# Altium PCB openmv-ae3.PcbDoc (part 3 of 7) (continued)
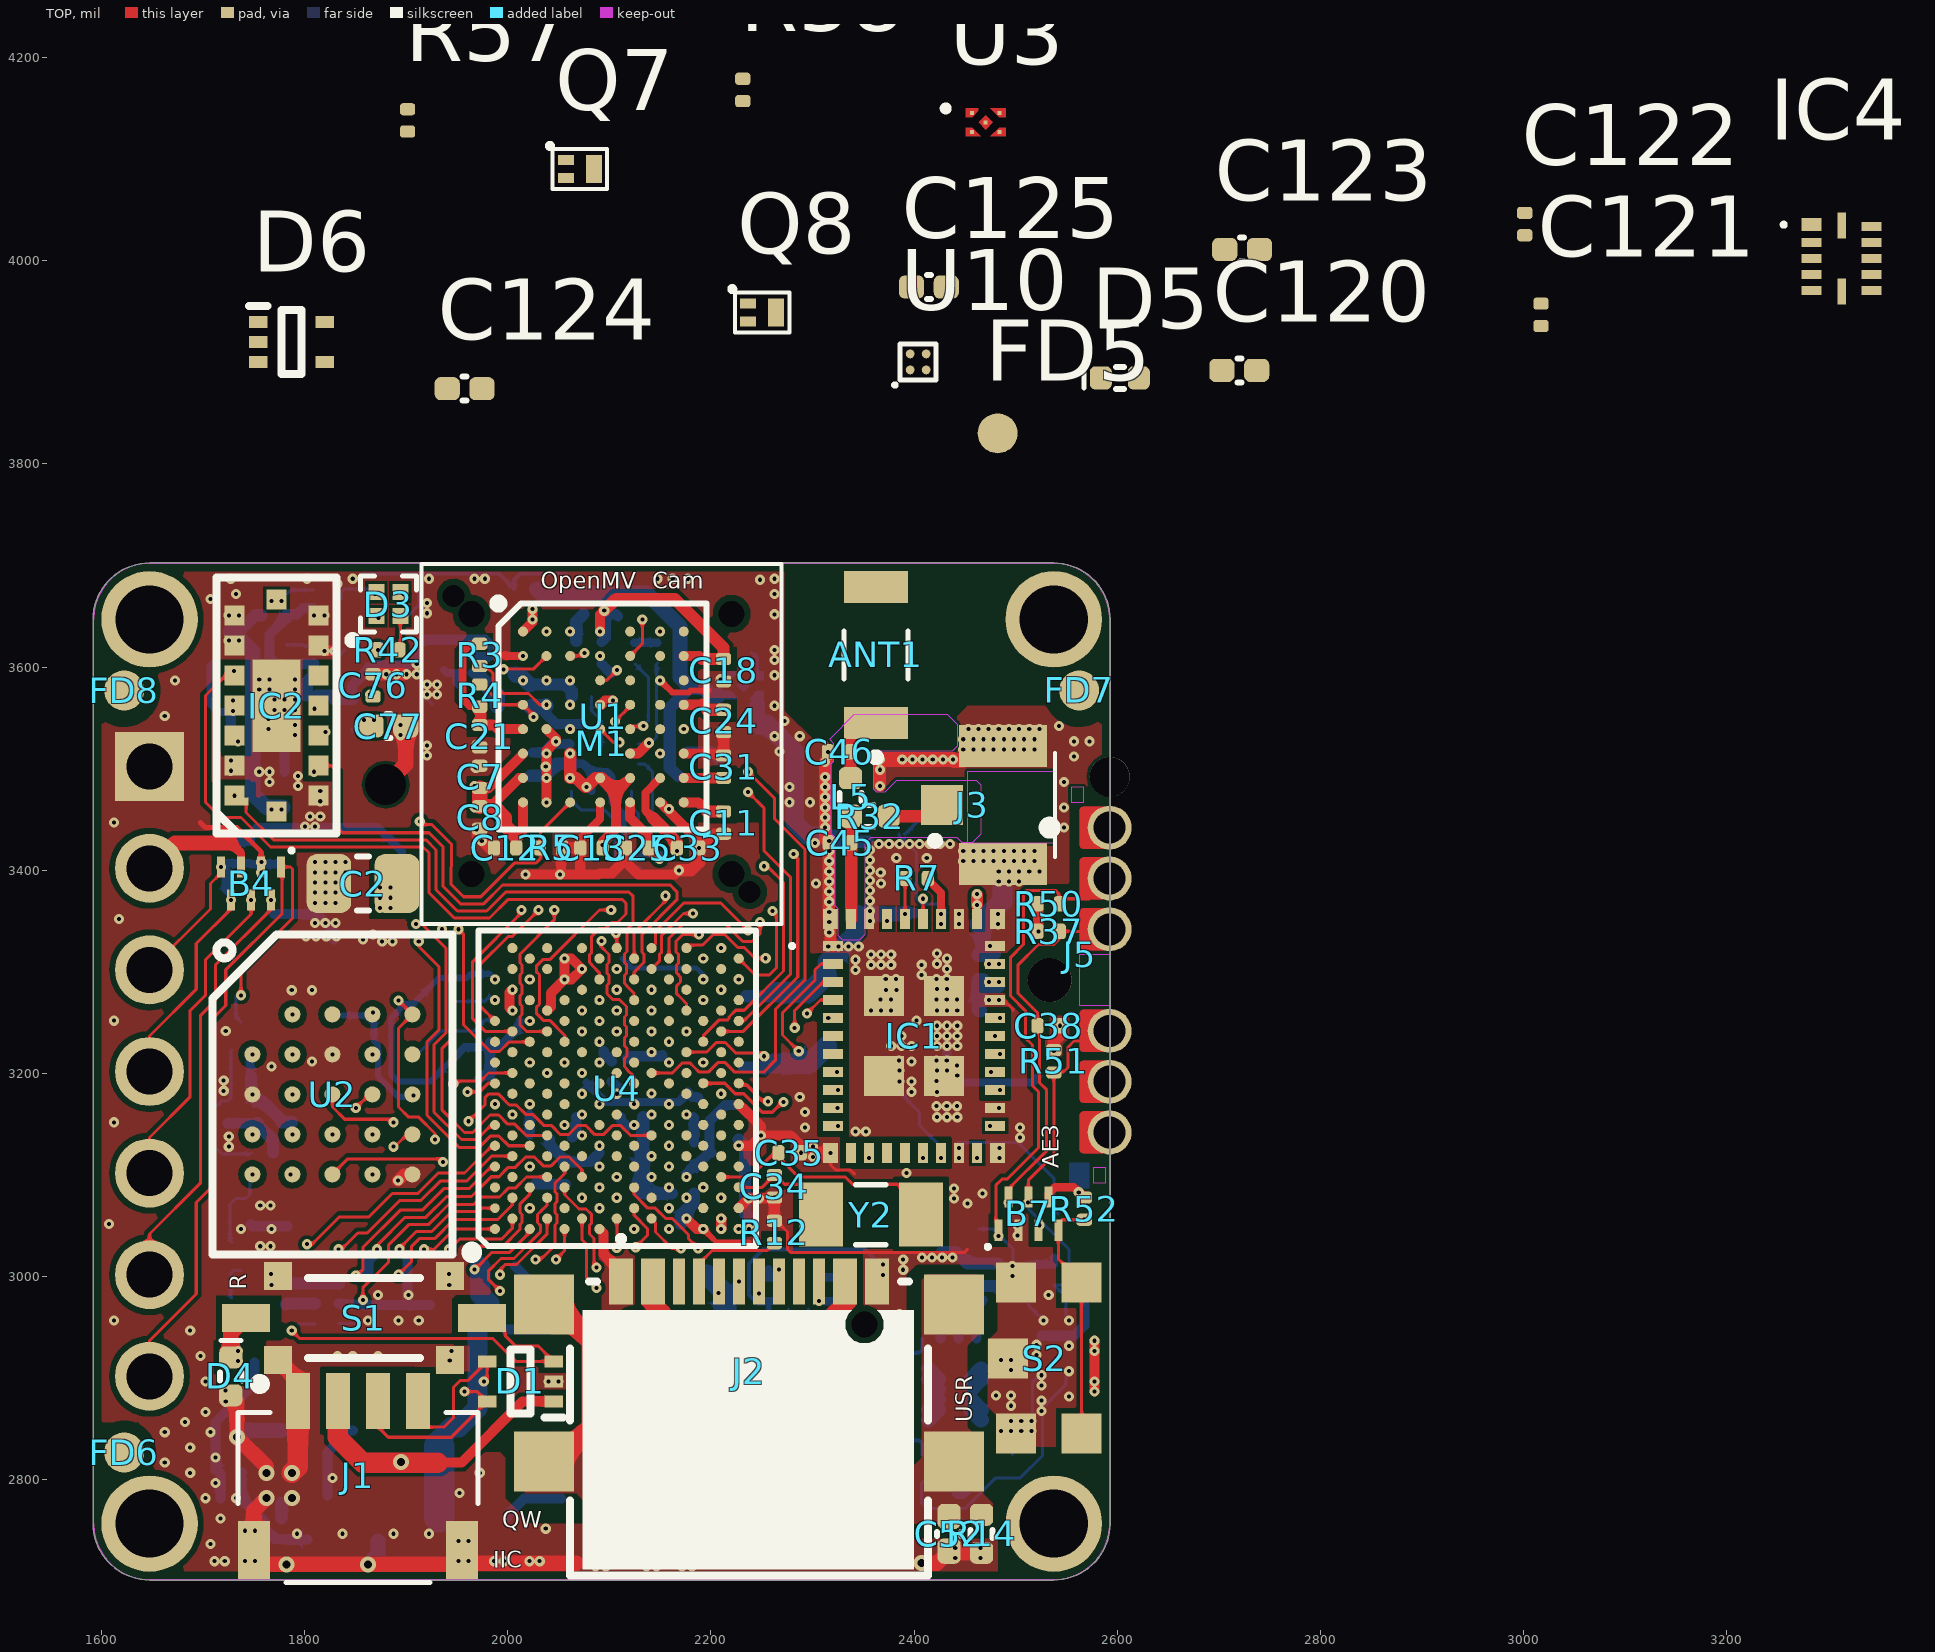
[diagram p0: TOP view]
## Nets (pads, with @x,y where several pads share a name; then routed paths per layer and width w, separated by ;. In a path a pad name is that pad's centre, name@x,y a point inside that pad or via, vN(x,y) a via of type N, cw(c..) or ccw(c..) an arc to the next point about the centre after c; other vN are vias at no path point) (continued)
  ART7 w12: v2(1727.44,3578.91) 1730.44,3581.91 v3(1777.44,3581.91)
  ART7 w15: J5.5@2572.44,3191.91 J5.5@2592.44,3191.91
  BOTTOM w3: v2(2326.44,3454.91) 2329.44,3454.91 2337.44,3446.91 ; Y1.2@2385.16,3435.85 2385.16,3434.19 2402.44,3416.91 2402.44,3386.91 ; Y1.2@2390.16,3435.85 2391.38,3435.85 v2(2417.44,3461.91) ; 2397.44,3381.91 2402.44,3386.91 ; C47.1@2430.31,3346.91 2430.31,3362.91 2426.31,3366.91 2407.44,3366.91 2402.44,3371.91 2402.44,3386.91
  BOTTOM w4: 1857.44,3691.91 1991.44,3691.91 v2(2006.44,3676.91) 2006.44,3685.91 2012.44,3691.91 2057.44,3691.91 ; FL1.8@2256.75,2967.91 2256.75,2972.59 2252.43,2976.91 2242.44,2976.91 2237.44,2981.91 2237.44,3012.91 2251.44,3026.91 2351.44,3026.91 v2(2369.44,3008.91) ; v2(2263.69,2891.16) U5.8@2267.44,2887.41
  BOTTOM w5: C97.1@2112.44,3312.91 2121.44,3303.91 2185.44,3303.91 2192.44,3296.91
  BOTTOM w6: X1.2@1947.12,3215.34 1923.69,3191.91 1892.44,3191.91 1885.44,3198.91 v2(1885.44,3241.91) v2(1885.44,3254.91) 1899.01,3268.48 X1.4@1907.76,3268.48 1907.76,3269.48 1932.19,3293.91 v2(1937.44,3293.91) v2(1957.44,3293.91) 1959.44,3293.91 1963.44,3297.91 C22.1@1982.44,3297.91
  BOTTOM w8: 1937.44,3596.91 1940.31,3594.04 v2(1949.57,3594.04) 1949.57,3584.78 1952.44,3581.91 ; X1.2@1947.12,3215.34 1957.69,3225.91 v2(1967.44,3225.91) 1982.44,3225.91 1991.44,3225.91 v2(1997.44,3231.91) 2011.44,3245.91 C99.1@2011.44,3246.91 C99.1@2011.44,3251.91 ; U5.8@2254.03,2891.16 v2(2263.69,2891.16) ; v2(2256.75,2964.91) 2256.75,2957.6 v2(2264.44,2949.91) v2(2264.44,2936.91) ; v2(2310.85,2922.66) v2(2310.85,2936.91) v2(2310.85,2950.32) 2315.81,2955.28 v2(2315.81,2964.91)
  BOTTOM w10: v2(1724.44,3150.91) v2(1739.44,3150.91) C3.2@1752.44,3150.91 ; 1747.09,3051.1 1748.67,3049.52 C1.1@1783.36,3049.52 ; v2(1972.44,3194.91) 1975.44,3197.91 C109.2@1982.44,3197.91 1982.44,3225.91 v2(1982.44,3230.91) ; D2.2@1998.09,2947.88 2041.14,2947.88 C94.1@2041.14,2959.87 ; C69.1@2007.07,3009.91 2007.54,3009.91 2014.47,3002.99 2014.47,3002.51 2021.1,2995.87 2021.1,2988.75 2039.54,2970.31 2039.54,2961.02 2040.69,2959.87 C94.1@2041.14,2959.87 ; v2(2021.44,3139.91) C107.1@2021.44,3158.91 ; v2(2024.44,3515.91) 2035.22,3515.91 2043.72,3524.41 v2(2050.94,3524.41) ; v2(2037.44,3561.91) 2037.44,3554.09 2047.44,3544.09 v2(2073.44,3544.09) ; v2(2040.44,3136.91) 2040.44,3129.91 C108.1@2057.44,3112.91 ; C94.1@2041.6,2959.87 C94.1@2041.14,2959.87 ; U7.6@2055.94,3524.41 v2(2060.94,3524.41) ; v2(2060.44,3112.91) 2081.44,3112.91 v2(2090.44,3121.91) ; C23.1@2092.44,3624.91 2096.44,3628.91 C19.1@2096.44,3651.91 2106.44,3651.91 v2(2108.44,3649.91) ; v2(2094.44,3221.91) 2094.44,3219.91 R39.1@2102.44,3211.91 ; C111.1@2111.44,3156.91 2111.44,3153.91 v2(2117.44,3147.91) ; v2(2117.44,3214.91) 2118.44,3214.91 2120.44,3216.91 2151.44,3216.91 C118.1@2152.44,3217.91 ; C83.2@2552.44,2850.91 2574.92,2850.91 v2(2577.35,2848.48)
  BOTTOM w12: C3.2@1752.44,3150.91 1753.94,3150.91 1753.94,3149.41 1768.95,3134.4 C40.2@1768.95,3122.16 ; R23.1@1777.44,2761.91 R23.1@1777.44,2762.91 1777.44,2776.91 ; C84.1@1781.86,2972.49 1783.02,2973.65 B6.2@1810.05,2973.65 ; v2(1861.76,2999.57) 1861.76,3015.97 C70.1@1867.01,3021.22 ; C89.2@2170.31,3051.91 2170.31,3059.79 2183.44,3072.92 C96.1@2183.44,3081.91 ; C87.2@2227.44,3134.78 2233.44,3128.78 v2(2233.44,3116.91) v2(2233.44,3106.91) v2(2233.44,3081.91) v2(2233.44,3069.91) 2233.44,3061.91 C90.1@2237.44,3057.91 ; C59.1@2427.44,3024.04 2441.31,3024.04 2452.44,3012.91 v2(2457.44,3012.91) v2(2482.44,3012.91)
  BOTTOM w15: v5(1733.45,2841.92) 1739.98,2848.45 C66.2@1777.44,2848.45 ; v5(1862.44,2716.91) 1872.43,2726.9 C68.1@1872.43,2739.78 ; C51.2@2022.44,3560.91 2036.44,3560.91 v2(2037.44,3561.91) ; v2(2414.01,2859) v2(2424.01,2869) ; v2(2414.01,2869) v2(2424.01,2879) ; v2(2414.01,2899) v2(2424.01,2889) ; v2(2414.01,2909) v2(2424.01,2899) ; v2(2456.01,2869) v2(2466.01,2859) ; v2(2456.01,2879) v2(2466.01,2869) ; v2(2456.01,2889) v2(2466.01,2899) ; v2(2456.01,2899) v2(2466.01,2909)
  other v1: 2086.44,2714.91 2096.44,2714.91 2136.44,2714.91 2146.44,2714.91 2171.44,2714.91 2181.44,2714.91 2235.44,2717.91 2245.44,2717.91 2255.44,2717.91 2290.44,2717.91 2300.44,2717.91 2335.44,2717.91 2345.44,2717.91 2380.44,2717.91 1711.44,2719.91 1721.44,2719.91 1741.44,2719.91 1751.44,2719.91 1951.44,2719.91 1961.44,2719.91 1986.44,2719.91 1996.44,2719.91 2021.44,2719.91 2031.44,2719.91 2196.44,2719.91 2206.44,2719.91 2440.44,2722.91 2465.44,2722.91 2235.44,2727.91 2245.44,2727.91 2255.44,2727.91 2290.44,2727.91 2300.44,2727.91 2335.44,2727.91 2345.44,2727.91 2380.44,2727.91 2440.44,2732.91 2465.44,2732.91 1707.44,2736.91 1951.44,2739.91 1961.44,2739.91 1792.44,2746.91 1837.44,2746.91 1887.44,2746.91 1922.44,2746.91 2087.44,2746.91 1741.44,2749.91 1751.44,2749.91 2037.44,2751.91 1717.44,2761.91 1702.44,2781.91 1732.44,2781.91 1952.44,2786.91 1712.44,2796.91 1827.44,2801.91 1687.44,2806.91 1972.44,2806.91 1662.44,2816.91 1712.44,2821.91 1687.44,2831.91 2191.44,2839.91 2201.44,2839.91 2246.44,2844.91 2256.44,2844.91 2306.44,2844.91 2316.44,2844.91 1662.44,2846.91 1707.44,2846.91 2485.44,2847.91 2495.44,2847.91 2505.44,2847.91 2515.44,2847.91 1682.44,2856.91 2495.44,2857.91 2505.44,2857.91 2515.44,2857.91 1702.44,2866.91 2525.44,2867.91 2495.44,2872.91 2341.44,2874.91 2351.44,2874.91 2371.44,2874.91 2381.44,2874.91 1722.44,2876.91 2525.44,2877.91 2552.44,2881.91 2480.44,2882.91 2495.44,2882.91 1722.09,2887.75 2525.44,2892.91 1702.44,2896.91 2525.44,2902.91 2552.44,2906.91 2495.44,2907.91 2385.44,2912.91 2351.44,2914.91 2361.44,2914.91 2485.44,2917.91 2495.44,2917.91 1697.44,2921.91 1832.44,2921.91 1847.44,2921.91 1872.44,2921.91 2385.44,2922.91 2520.44,2922.91 2552.44,2931.91 2520.44,2932.91 1687.44,2946.91 2385.44,2952.91 1612.44,2956.91 1862.44,2956.91 1892.44,2956.91 1912.44,2956.91 2527.44,2956.91 2552.44,2956.91 2385.44,2962.91 1872.44,2981.91 1902.44,2981.91 2532.44,2981.91 1767.44,2991.91 2369.23,3001.75 1767.09,3002.75 2389.23,3006.75 2369.23,3011.75 2389.23,3016.75 2407.6,3018.7 2417.6,3018.7 2427.6,3018.7 2437.6,3018.7 1756.44,3029.91 1766.44,3029.91 1737.44,3046.91 1767.44,3046.91 1607.44,3051.91 1756.44,3069.91 1766.44,3069.91 2452.44,3071.91 2439.23,3076.75 2467.44,3081.91 2439.23,3086.75 2392.44,3101.91 2484.23,3116.75 2300.44,3117.91 2484.23,3126.75 1725.44,3127.91 2300.44,3127.91 2504.23,3136.75 1725.44,3137.91 2342.44,3142.91 2352.44,3142.91 2292.44,3146.91 2504.23,3146.75 1612.44,3151.91 2422.44,3156.91 2432.44,3156.91 2442.44,3156.91 2292.44,3161.91 2422.09,3167.75 2432.09,3167.75 2442.09,3167.75 2287.44,3176.91 2397.44,3181.91 2422.44,3181.91 1720.44,3182.91 2385.44,3191.91 2397.44,3191.91 1720.44,3192.91 2422.09,3192.75 2442.44,3197.91 2385.44,3202.91 2422.44,3202.91 2432.44,3202.91 1767.44,3206.91 2442.09,3207.75 1807.44,3211.91 2397.44,3211.91 2385.09,3212.75 2422.09,3212.75 2432.09,3212.75 2377.44,3226.91 2387.44,3226.91 2397.44,3226.91 2422.44,3226.91 2432.44,3226.91 2442.44,3226.91 2387.44,3236.91 2422.44,3236.91 2432.44,3236.91 2442.44,3236.91 1722.44,3241.91 2422.44,3246.91 2432.44,3246.91 2442.44,3246.91 1612.44,3251.91 2402.44,3251.91 2357.44,3261.91 2367.44,3261.91 2377.44,3261.91 2422.44,3261.91 2432.44,3261.91 2442.44,3261.91 2367.09,3272.75 2377.09,3272.75 2422.09,3272.75 2432.09,3272.75 2442.09,3272.75 1787.44,3281.91 1807.44,3281.91 2372.44,3281.91 2382.44,3281.91 2422.44,3282.91 2432.44,3282.91 2372.09,3292.75 2382.09,3292.75 2422.09,3292.75 2432.09,3292.75 2407.44,3296.91 2342.44,3301.91 2432.44,3302.91 2357.44,3306.91 2367.44,3306.91 2377.44,3306.91 2407.44,3306.91 2422.44,3307.91 2342.44,3311.91 2432.44,3312.91 2357.44,3316.91 2367.44,3316.91 2377.44,3316.91 2422.44,3317.91 2315.44,3324.91 2325.44,3324.91 2335.44,3324.91 2345.44,3324.91 2474.66,3325.49 1876.44,3329.91 1886.44,3329.91 1857.44,3331.91 1801.44,3334.91 1811.44,3334.91 1821.44,3334.91 1831.44,3334.91 1867.44,3336.91 2316.44,3338.91 1810.44,3347.91 1820.44,3347.91 1830.44,3347.91 2316.44,3348.91 2356.44,3349.91 1617.44,3351.91 2482.44,3356.91 2316.44,3358.91 2356.44,3359.91 1810.44,3367.91 1820.44,3367.91 1830.44,3367.91 2316.44,3368.91 2356.44,3369.91 1810.44,3377.91 1820.44,3377.91 1830.44,3377.91 2316.44,3378.91 2356.44,3379.91 2303.44,3386.91 2367.44,3386.91 1810.44,3387.91 1820.44,3387.91 1830.44,3387.91 2316.44,3388.91 2483.31,3388.91 2493.31,3388.91 2503.31,3388.91 2356.44,3389.91 1810.44,3397.91 1820.44,3397.91 1830.44,3397.91 1840.44,3397.91 2367.09,3397.75 2316.44,3398.91 2483.31,3398.91 2493.31,3398.91 2503.31,3398.91 2513.31,3398.91 2523.31,3398.91 2356.44,3399.91 1810.44,3407.91 1820.44,3407.91 1830.44,3407.91 1840.44,3407.91 2316.44,3408.91 2448.31,3408.91 2458.31,3408.91 2468.31,3408.91 2478.31,3408.91 2488.31,3408.91 2498.31,3408.91 2508.31,3408.91 2518.31,3408.91 2356.44,3409.91 2382.44,3411.91 2412.44,3411.91 2316.44,3418.91 2448.31,3418.91 2458.31,3418.91 2468.31,3418.91 2478.31,3418.91 2488.31,3418.91 2498.31,3418.91 2508.31,3418.91 2518.31,3418.91 2356.44,3419.91 2365.44,3425.91 2375.44,3425.91 2385.44,3425.91 2395.44,3425.91 2405.44,3425.91 2415.44,3425.91 2425.44,3425.91 2435.44,3425.91 2302.44,3426.91 2316.44,3428.91 2547.44,3441.91 1800.44,3442.91 1810.44,3442.91 1612.44,3446.91 1805.44,3452.91 1815.44,3452.91 2547.44,3461.91 2277.44,3466.91 2297.44,3466.91 2277.44,3481.91 1793.44,3482.91 1765.44,3486.91 2547.44,3486.91 1793.44,3492.91 1755.44,3496.91 1765.44,3496.91 2037.44,3501.91 2312.26,3506.58 2557.44,3511.91 1920.44,3512.91 2267.44,3516.91 2448.31,3518.91 2468.31,3518.91 2478.31,3518.91 2488.31,3518.91 2498.31,3518.91 2508.31,3518.91 2518.31,3518.91 1920.44,3522.91 2557.44,3526.91 2572.44,3526.91 2448.31,3528.91 2458.31,3528.91 2468.31,3528.91 2478.31,3528.91 2488.31,3528.91 2498.31,3528.91 2508.31,3528.91 2518.31,3528.91 2262.44,3531.91 2287.44,3531.91 1790.44,3532.91 1764.44,3538.91 2453.31,3538.91 2463.31,3538.91 2473.31,3538.91 2483.31,3538.91 2493.31,3538.91 2503.31,3538.91 2513.31,3538.91 2523.31,3538.91 2542.44,3541.91 1790.44,3542.91 2272.44,3546.91 1764.44,3548.91 1662.44,3551.91 1770.44,3557.91 1780.44,3557.91 1790.44,3557.91 2262.44,3561.91 1770.44,3567.91 1780.44,3567.91 1790.44,3567.91 1920.44,3572.91 1930.44,3572.91 1755.44,3577.91 1765.44,3577.91 1790.44,3577.91 1920.44,3582.91 1930.44,3582.91 1672.44,3586.91 1755.44,3587.91 1765.44,3587.91 1790.44,3587.91 2262.44,3591.91 1900.44,3592.91 1910.44,3592.91 1910.44,3602.91 2262.44,3606.91 2262.44,3616.91 1735.44,3625.91 1735.44,3650.91 1809.44,3650.91 1920.44,3652.91 1920.44,3662.91 1732.44,3671.91 1832.44,3681.91 1727.44,3686.91 1802.44,3686.91 1847.44,3686.91 1922.44,3686.91 1967.44,3686.91 1977.44,3686.91 2147.44,3686.91 2162.44,3686.91 2177.44,3686.91 2262.44,3686.91
  other v2: 1752.44,2716.91 1817.44,2716.91 1837.44,2716.91 2387.44,2741.91 2402.44,2741.91 2189.01,2752 2199.01,2752 2189.01,2762 2199.01,2762 2392.44,2766.91 2249.01,2772 2259.01,2772 2271.01,2772 2281.01,2772 1607.44,2806.91 2387.44,2806.91 2577.44,2806.91 1682.44,2811.91 2425.87,2814.82 1642.44,2821.91 2425.87,2824.82 2347.44,2826.91 2377.44,2826.91 2577.35,2838.48 1682.44,2841.91 1612.44,2846.91 2337.44,2856.91 2424.01,2859 2456.01,2859 2492.01,2859 2492.01,2869 2312.44,2871.91 2327.44,2871.91 2414.01,2879 2436.01,2879 2446.01,2879 2466.01,2879 2482.01,2879 2492.01,2879 2577.35,2888.48 2414.01,2889 2436.01,2889 2446.01,2889 2466.01,2889 2482.01,2889 2492.01,2889 1722.44,2896.91 2577.35,2898.48 2492.01,2899 2424.01,2909 2456.01,2909 2492.01,2909 1707.44,2921.91 2522.63,2922.07 2045.29,2926.33 2055.29,2926.33 2065.29,2926.33 2075.29,2926.33 2479.01,2927 2577.35,2928.48 2045.29,2936.33 2055.29,2936.33 2065.29,2936.33 2075.29,2936.33 2577.35,2938.48 2382.44,2941.91 2045.29,2946.33 2055.29,2946.33 2065.29,2946.33 2075.29,2946.33 1682.44,2951.91 2177.03,2959.16 2187.03,2959.16 2397.44,2966.91 1809.32,2973.45 2397.44,2991.91 2421.44,3019.91 2431.44,3019.91 2377.44,3021.91 2402.44,3021.91 2567.44,3026.91 2421.44,3029.91 2431.44,3029.91 2522.44,3031.91 2577.44,3036.91 2382.44,3041.91 2512.44,3046.91 2422.44,3051.91 2492.44,3051.91 2233.44,3057.91 1697.44,3061.91 2387.44,3066.91 2525.44,3070.91 2482.44,3086.91 2382.44,3091.91 2407.44,3091.91 1702.44,3101.91 2507.44,3111.91 2482.44,3116.91 2100.44,3121.91 2228.44,3126.91 2090.44,3131.91 2228.44,3136.91 2542.44,3136.91 2487.44,3146.91 2507.44,3146.91 1682.44,3151.91 2437.44,3156.91 2526.44,3164.91 2536.44,3164.91 2437.44,3166.91 2512.44,3166.91 2526.44,3174.91 2536.44,3174.91 2552.44,3176.91 2407.44,3186.91 1702.44,3191.91 2522.44,3226.91 2547.44,3226.91 1702.44,3236.91 2097.44,3236.91 2522.44,3246.91 2547.44,3251.91 2407.44,3256.91 2426.44,3259.91 2436.44,3259.91 2407.44,3266.91 2426.44,3269.91 2436.44,3269.91 1702.44,3271.91 2492.44,3271.91 2427.44,3291.91 2437.44,3291.91 2210.44,3295.91 2412.44,3296.91 2232.44,3297.91 2412.44,3306.91 2427.44,3306.91 2256.44,3309.91 2266.44,3309.91 2427.44,3316.91 2422.44,3326.91 2512.44,3326.91 2397.44,3331.91 2432.44,3331.91 2437.44,3341.91 2492.44,3341.91 2517.44,3341.91 2437.44,3351.91 2301.44,3356.91 2311.44,3356.91 2182.44,3362.04 2512.44,3366.91 1697.44,3371.91 2092.44,3371.91 2544.44,3375.91 2122.44,3381.91 2357.44,3381.91 1811.69,3385.32 1821.69,3385.32 2544.44,3385.91 1821.69,3395.32 1811.69,3405.32 1821.69,3405.32 2512.44,3406.91 2549.44,3410.91 1821.69,3415.32 2387.44,3421.91 2549.44,3422.91 1811.69,3425.32 1821.69,3425.32 2512.44,3426.91 2539.44,3430.91 1692.44,3431.91 2386.44,3434.91 2396.44,3434.91 2539.44,3440.91 2512.44,3441.91 1924.44,3451.91 2316.44,3454.91 2439.44,3460.91 2469.44,3460.91 2504.44,3460.91 2534.44,3460.91 1824.44,3461.91 1924.44,3461.91 2182.44,3466.91 2306.44,3469.91 2316.44,3469.91 2439.44,3470.91 2469.44,3470.91 2504.44,3470.91 2534.44,3470.91 1824.44,3471.91 2327.44,3471.91 2407.44,3471.91 2392.44,3486.91 2351.44,3489.91 2361.44,3489.91 2554.44,3490.91 1702.44,3491.91 2316.44,3494.91 2326.44,3494.91 2554.44,3500.91 1929.44,3501.91 1962.44,3505.91 1988.44,3505.91 2356.44,3509.91 2366.44,3509.91 2391.44,3509.91 2401.44,3509.91 2421.44,3509.91 2431.44,3509.91 1929.44,3511.91 2107.44,3511.91 2241.44,3514.91 2251.44,3514.91 2321.44,3514.91 2331.44,3514.91 1962.44,3515.91 2451.44,3519.91 2461.44,3519.91 2484.44,3520.91 2524.44,3525.91 2559.44,3525.91 2484.44,3530.91 2579.44,3530.91 1889.44,3531.91 2524.44,3535.91 2559.44,3535.91 1697.44,3536.91 2451.44,3539.91 2461.44,3539.91 2579.44,3540.91 1889.44,3541.91 2474.44,3545.91 2504.44,3545.91 2107.44,3546.91 2474.44,3555.91 2504.44,3555.91 2267.44,3561.91 1682.44,3591.91 2267.44,3591.91 2267.44,3611.91 1702.44,3621.91 1932.44,3646.91 2187.44,3651.91 2267.44,3651.91 1992.44,3671.91 1972.44,3681.91 1722.44,3686.91 1732.44,3686.91 1762.44,3686.91 2152.44,3686.91 2172.44,3686.91 2207.44,3686.91 2267.44,3686.91
  other v3: 2222.44,2717.91 2273.44,2717.91 2317.06,2717.91 2363.44,2717.91 1717.45,2781.92 2447.44,2816.91 1697.45,2821.92 2572.45,2821.92 1667.45,2831.92 2357.44,2841.91 2437.44,2861.91 2479.44,2861.91 2574.44,2871.91 1702.45,2881.92 2479.44,2901.91 2181.45,2914.92 2181.45,2930.92 1697.45,2936.92 2181.44,2946.91 1752.44,2988.91 2497.45,3121.92 2407.45,3236.92 2357.45,3281.92 2407.45,3281.92 2442.44,3321.91 2302.45,3336.92 2359.44,3336.91 2302.45,3369.92 2370.44,3371.91 2517.44,3386.91 2537.45,3396.92 2302.45,3407.92 2369.45,3411.92 2432.45,3411.92 2398.45,3412.92 2537.45,3416.92 2300.45,3446.92 2300.45,3486.92 2413.45,3496.92 2380.45,3497.92 2452.45,3505.92 2482.45,3505.92 2513.45,3505.92 2542.45,3505.92 2542.44,3526.91 1777.44,3535.67 2457.45,3551.92 2487.45,3551.92 2522.45,3551.92 1667.45,3566.92 2132.45,3683.92
  other v4: 2419.44,2788.91 2378.44,2846.91 2157.03,2914.16 2167.03,2914.16 2378.44,2921.91 2193.44,2922.91 2157.03,2924.16 2167.03,2924.16 2391.44,3209.91 2381.44,3219.91 2391.44,3219.91 2381.44,3229.91 2391.44,3229.91 2381.44,3239.91 2391.44,3239.91 2381.44,3249.91 2391.44,3249.91 2376.44,3279.91 2386.44,3279.91 2366.44,3294.91 2376.44,3294.91 2386.44,3294.91 2396.44,3294.91 2366.44,3304.91 2376.44,3304.91 2386.44,3304.91 2396.44,3304.91 2366.44,3314.91 2376.44,3314.91 2386.44,3314.91 2396.44,3314.91 2311.44,3384.91 2321.44,3384.91 2311.44,3394.91 2321.44,3394.91
  other v5: 2227.45,2749.92 2249.45,2749.92 2272.45,2749.92 2296.45,2749.92 1787.45,2781.92
  other v6: 1707.44,3666.91
HFXO_N: C22.2 U4.A25 X1.1 | length 67.8
  ART2 w3: v3(1975.44,3285.58) 1975.81,3285.21 1980.07,3285.21 v1(1987.44,3292.58)
  ART7 w3: v3(1975.44,3285.58) 1978.77,3285.58 v2(1986.44,3277.91)
  BOTTOM w3: X1.1@1947.12,3268.48 1949.55,3270.91 1977.44,3270.91 C22.2@1982.44,3275.91
HFXO_P: C20.2 U4.A23 X1.3 | length 118.1
  ART2 w3: v3(1978.44,3261.91) 1979.44,3261.91 1987.44,3269.91 v1(1987.44,3272.11)
  ART7 w3: v3(1978.44,3261.91) 1986.44,3253.91 v2(1986.44,3251.91)
  BOTTOM w3: X1.3@1907.76,3215.34 1934.33,3241.91 1967.44,3241.91 1978.44,3252.91 C20.2@1982.44,3252.91
IMU_CS#: R1.1 U4.R21 U7.12 | length 548
  TOP w3: U4.R21@2227.36,3251.7 2232.23,3251.7 2278.44,3297.91 2278.44,3392.91 2252.44,3418.91 2252.44,3460.91 v1(2236.44,3476.91)
  ART2 w3: v3(2169.44,3580.91) 2178.44,3580.91 2189.94,3569.41 2220.04,3569.41 2228.06,3561.39 2228.06,3506.91 2226.06,3504.91 2226.06,3487.29 v1(2236.44,3476.91)
  ART7 w3: v2(2125.44,3602.91) 2135.44,3592.91 2156.44,3592.91 2168.44,3580.91 v3(2169.44,3580.91)
  BOTTOM w3: v2(2125.44,3602.91) 2138.44,3589.91 2138.44,3547.09 2135.44,3544.09 U7.12@2128.94,3544.09
IMU_INT1: U4.R27 U7.4 | length 431.3
  TOP w3: U4.R27@2227.36,3313.11 2243.56,3296.91 2257.44,3296.91 2264.44,3303.91 2264.44,3356.91 2261.44,3359.91 v1(2260.44,3359.91)
  ART2 w3: v1(2260.44,3359.91) 2260.44,3384.91 2272.44,3396.91 v3(2272.44,3398.91)
  ART7 w3: v2(2132.44,3399.91) 2142.94,3410.41 2205.63,3410.41 2212.13,3416.91 2232.44,3416.91 2250.44,3398.91 v3(2272.44,3398.91)
  BOTTOM w3: U7.4@2062.91,3477.91 2062.91,3468.44 2071.94,3459.41 2094.94,3459.41 2105.44,3448.91 2105.44,3413.91 2117.44,3401.91 2130.44,3401.91 v2(2132.44,3399.91)
IMU_INT2: U4.J15 U7.9 | length 433.9
  TOP w3: v1(2092.44,3330.35) 2091.52,3329.43 2091.52,3325.17 2099.7,3316.99 2099.7,3309.11 2097.71,3307.12 2097.71,3298.51 2099.7,3296.52 2099.7,3288.64 2097.71,3286.65 2097.71,3278.51 2103.38,3272.84 2109.79,3272.84 2116.82,3265.81 2116.82,3257.44 2114.95,3255.57 2114.95,3247.7 2116.82,3245.83 2116.82,3236.97 2114.95,3235.1 2114.95,3227.22 2117.44,3224.73 2117.44,3217.12 2114.95,3214.62 2114.95,3206.75 2117.44,3204.26 2117.44,3203.77 2124.45,3196.76 U4.J15@2124.45,3190.22
  ART2 w3: v1(2092.44,3330.35) 2092.44,3331.42 2077.32,3346.54 2077.32,3383.28 2071.94,3388.66 2071.94,3406.31 2075.44,3409.81 2075.44,3446.91 2093.44,3464.91 2096.44,3464.91 v3(2097.44,3465.91)
  ART7 w3: v2(2092.44,3521.91) 2092.44,3470.91 v3(2097.44,3465.91)
  BOTTOM w3: U7.9@2082.6,3570.91 2082.6,3556.75 2092.44,3546.91 v2(2092.44,3521.91)
IMU_MISO: R40.1 U4.N19 U7.1 | length 417.9
  TOP w3: U4.N19@2192.46,3231.22 2192.46,3237.22 2207.61,3252.37 2216.1,3252.37 2217.86,3254.13 2217.86,3255.63 2224.44,3262.21 2232.74,3262.21 2271.44,3300.91 2271.44,3387.91 2257.44,3401.91 2254.44,3401.91 v1(2252.44,3403.91)
  ART2 w3: v3(2251.44,3416.91) 2251.44,3404.91 v1(2252.44,3403.91)
  ART7 w3: v2(2128.44,3437.91) 2138.58,3437.91 2158.96,3417.53 2202.85,3417.53 2209.23,3423.91 2244.44,3423.91 v3(2251.44,3416.91)
  BOTTOM w3: U7.1@2121.97,3477.91 2121.97,3462.38 2128.44,3455.91 v2(2128.44,3437.91)
IMU_MOSI: R33.1 U4.P20 U7.14 | length 452.8
  TOP w3: U4.P20@2210.08,3241.4 2231.93,3241.4 2285.44,3294.91 2285.44,3411.91 v1(2281.44,3415.91)
  ART2 w3: v3(2274.44,3426.91) 2274.44,3422.91 v1(2281.44,3415.91)
  ART7 w3: v2(2153.44,3437.91) 2158.44,3437.91 2172.94,3452.41 2196.94,3452.41 2217.44,3431.91 2269.44,3431.91 v3(2274.44,3426.91)
  BOTTOM w3: U7.14@2128.94,3504.72 2134.62,3504.73 2142.44,3496.91 2142.44,3447.91 2144.87,3445.48 2144.87,3444.98 2151.94,3437.91 v2(2153.44,3437.91)
IMU_SCLK: R2.1 U4.K16 U7.13 | length 731.2
  TOP w3: U4.K16@2141.57,3200.45 2161.9,3200.45 2171.93,3210.48 2179.24,3210.48 2182.81,3206.91 2182.86,3206.91 2188.52,3201.25 2197.26,3201.25 2206.61,3210.6 2214.07,3210.6 2223.42,3201.25 2251.78,3201.25 2263.44,3212.91 2263.44,3262.91 2292.44,3291.91 2292.44,3420.91 2262.44,3450.91 2262.44,3471.03 v1(2236.56,3496.91)
  ART2 w3: v3(2168.44,3606.91) 2168.44,3600.91 2192.94,3576.41 2222.94,3576.41 2235.06,3564.29 2235.06,3498.41 v1(2236.56,3496.91)
  ART7 w3: v2(2149.44,3603.91) 2165.44,3603.91 v3(2168.44,3606.91)
  BOTTOM w3: U7.13@2128.94,3524.41 2139.94,3524.41 2146.44,3530.91 2146.44,3602.91 R2.1@2147.44,3603.91
JTAG_TCK: B7.6 J5.4 J6.3 R51.2 U4.B4 | length 1361.1
  TOP w3: v1(1892.44,3001.91) 1905.44,3014.91 1905.44,3029.91 1912.94,3037.41 1928.04,3037.41 1947.04,3056.41 1990.39,3056.41 2004.57,3070.59 U4.B4@2004.57,3077.62 ; v1(2512.1,3072.91) 2512.44,3073.25 B7.6@2512.44,3078.25 2512.44,3094.91 2537.44,3119.91 2537.44,3201.91 2547.44,3201.91 2551.44,3205.91 2551.44,3225.91 2557.44,3231.91 2572.44,3231.91 2582.44,3231.91 J5.4@2592.44,3241.91
  ART2 w3: v1(1892.44,3001.91) 1907.44,3001.91 1918.44,2990.91 1918.44,2970.91 1935.44,2953.91 1975.44,2953.91 1992.62,2936.73 v3(1992.62,2909.88) ; v3(2430.8,2841.91) 2422.44,2850.27 2422.44,2906.91 2442.44,2926.91 2472.44,2926.91 2490.44,2944.91 2490.44,2975.06 2515.82,3000.44 2515.82,3032.46 2512.1,3036.18 v1(2512.1,3072.91)
  ART4 w3: v3(1992.62,2909.88) 1994.95,2907.56 2001.79,2907.56 2007.44,2901.91 2007.44,2882.99 2015.9,2874.53 2055.02,2874.53 2114.88,2814.67 2159.3,2814.67 2181.44,2792.53 2391.06,2792.53 2430.8,2832.27 v3(2430.8,2841.91)
JTAG_TDI: D5.1 J6.7 R49.1 U4.C7 | length 46.6
  ART2 w3: v3(2002.44,3104.91) 2018.27,3104.91 v1(2021.69,3108.33)
  ART7 w3: v3(2002.44,3104.91) 2009.44,3111.91 v2(2025.44,3111.91)
JTAG_TDO: B7.3 J5.6 J6.9 U4.E11 | length 1607.4
  ART2 w3: v3(1962.44,3111.91) 1972.44,3111.91 1984.44,3123.91 2020.46,3123.91 2045.82,3149.27 v1(2055.94,3149.27) ; v3(2504.44,2964.91) 2504.44,2978.91 2523.28,2997.75 v1(2523.28,3050.57) 2523.28,3073.83 2535.82,3086.37 2535.82,3107.29 2570.44,3141.91 J5.6@2592.44,3141.91
  ART4 w3: v3(1962.44,3111.91) 1962.44,3086.91 1882.44,3006.91 1856.26,3006.91 1842.06,3021.11 1842.06,3029.73 1829.5,3042.29 1807.82,3042.29 1800.82,3035.29 1785.82,3035.29 1779.06,3028.53 1779.06,3005.29 1802.44,2981.91 1807.44,2981.91 1822.44,2966.91 1822.44,2956.91 1862.44,2916.91 1927.44,2916.91 1990.82,2853.53 2046.12,2853.53 2105.98,2793.67 2150.6,2793.67 2172.74,2771.53 2408.18,2771.53 2427.56,2790.91 2456.34,2790.91 2504.44,2839.01 v3(2504.44,2964.91)
JTAG_TMS: B7.1 J5.2 J6.5 R50.1 U4.A3 | length 1547.9
  TOP w3: v1(1893.44,3026.91) 1893.44,3027.91 1909.94,3044.41 1925.14,3044.41 1944.64,3063.91 1970.97,3063.91 1974.44,3067.38 U4.A3@1987.44,3067.38 ; v1(2482.91,3039.91) B7.1@2482.91,3045.57 2482.91,3051.45 2480.44,3053.92 2480.44,3089.91 2486.44,3095.91 2491.44,3095.91 2522.44,3126.91 2522.44,3181.91 2516.44,3187.91 2516.44,3227.91 2509.44,3234.91 2509.44,3261.81 2495.01,3276.24 2495.01,3314.48 2507.44,3326.91 2507.44,3376.91 2510.44,3379.91 2539.44,3379.91 2542.44,3376.91 2542.44,3366.91 2547.44,3371.91 2567.44,3371.91 2572.44,3371.91 J5.2@2592.44,3391.91
  ART2 w3: v1(1893.44,3026.91) 1897.44,3026.91 1927.44,2996.91 1927.44,2971.91 1936.44,2962.91 1976.44,2962.91 2006.35,2933 2006.35,2901.82 v3(1992.44,2887.91) ; v3(2467.44,2941.91) 2482.91,2957.37 v1(2482.91,3039.91)
  ART4 w3: v3(1992.44,2887.91) 1992.62,2887.91 2013,2867.53 2051.92,2867.53 2111.78,2807.67 2156.4,2807.67 2178.54,2785.53 2396.38,2785.53 2454.06,2843.21 2454.06,2893.53 2457.69,2897.16 2457.69,2932.16 v3(2467.44,2941.91)
LED_B: Q3.3 R41.1 | length 39.5
  BOTTOM w3: Q3.3@1836.22,3666.91 1836.22,3673.91 1839.22,3676.91 R41.1@1867.44,3676.91
LED_B_D: D3.1 R41.2 | length 27
  ART2 w3: v3(1859.44,3646.91) 1860.63,3648.1 v1(1872.63,3648.1)
  ART7 w3: v3(1859.44,3646.91) 1859.44,3648.91 v2(1867.44,3656.91)
LED_B_INT: Q3.2 R46.1 U4.F14 | length 940.9
  ART2 w3: v3(1827.44,3181.91) 1836.69,3181.91 1838.19,3183.41 1857.7,3183.41 1871.7,3169.41 1883.33,3169.41 1902.83,3188.91 1912.78,3188.91 1927.44,3174.25 1927.44,3156.91 1945.44,3138.91 1964.44,3138.91 1972.44,3146.91 1972.44,3168.91 1982.77,3179.24 2032.63,3179.24 2046.1,3165.77 2056.38,3165.77 2070.59,3179.98 v1(2073.07,3179.98)
  ART4 w3: v3(1772.44,3611.91) 1772.44,3609.83 1705.06,3542.45 1705.06,3454.29 1737.44,3421.91 1737.44,3386.91 1807.44,3316.91 1807.44,3201.91 v3(1827.44,3181.91)
  ART7 w3: v3(1772.44,3611.91) 1792.44,3631.91 1792.44,3661.91 v2(1782.44,3671.91)
  BOTTOM w3: v2(1782.44,3671.91) 1786.3,3675.77 Q3.2@1808.66,3675.77
LED_G: Q2.3 R42.1 | length 43.5
  ART2 w3: v3(1858.44,3611.91) 1863.44,3616.91 v1(1872.44,3616.91)
  ART7 w3: v2(1839.44,3616.91) 1853.44,3616.91 v3(1858.44,3611.91)
  BOTTOM w3: Q2.3@1836.22,3611.91 1836.22,3613.69 v2(1839.44,3616.91)
LED_G_D: D3.2 R42.2 | length 33.9
  TOP w3: R42.2@1892.44,3616.91 1894.25,3618.72 D3.2@1894.25,3650.1